# Altium PCB PCBV2.PcbDoc (part 2 of 2)
Units mm, origin at the board's own origin, x right, y up, seen from the top; angles counter-clockwise.
Board outline 46.9 x 40.12 mm, 4 copper layers (Top Layer, GND, GND_2, Bottom Layer), stack 1.556 mm thick; 71 components, 71 nets, 293 pads, 434 vias.
Unrouted connection lines stored in the file: 14.
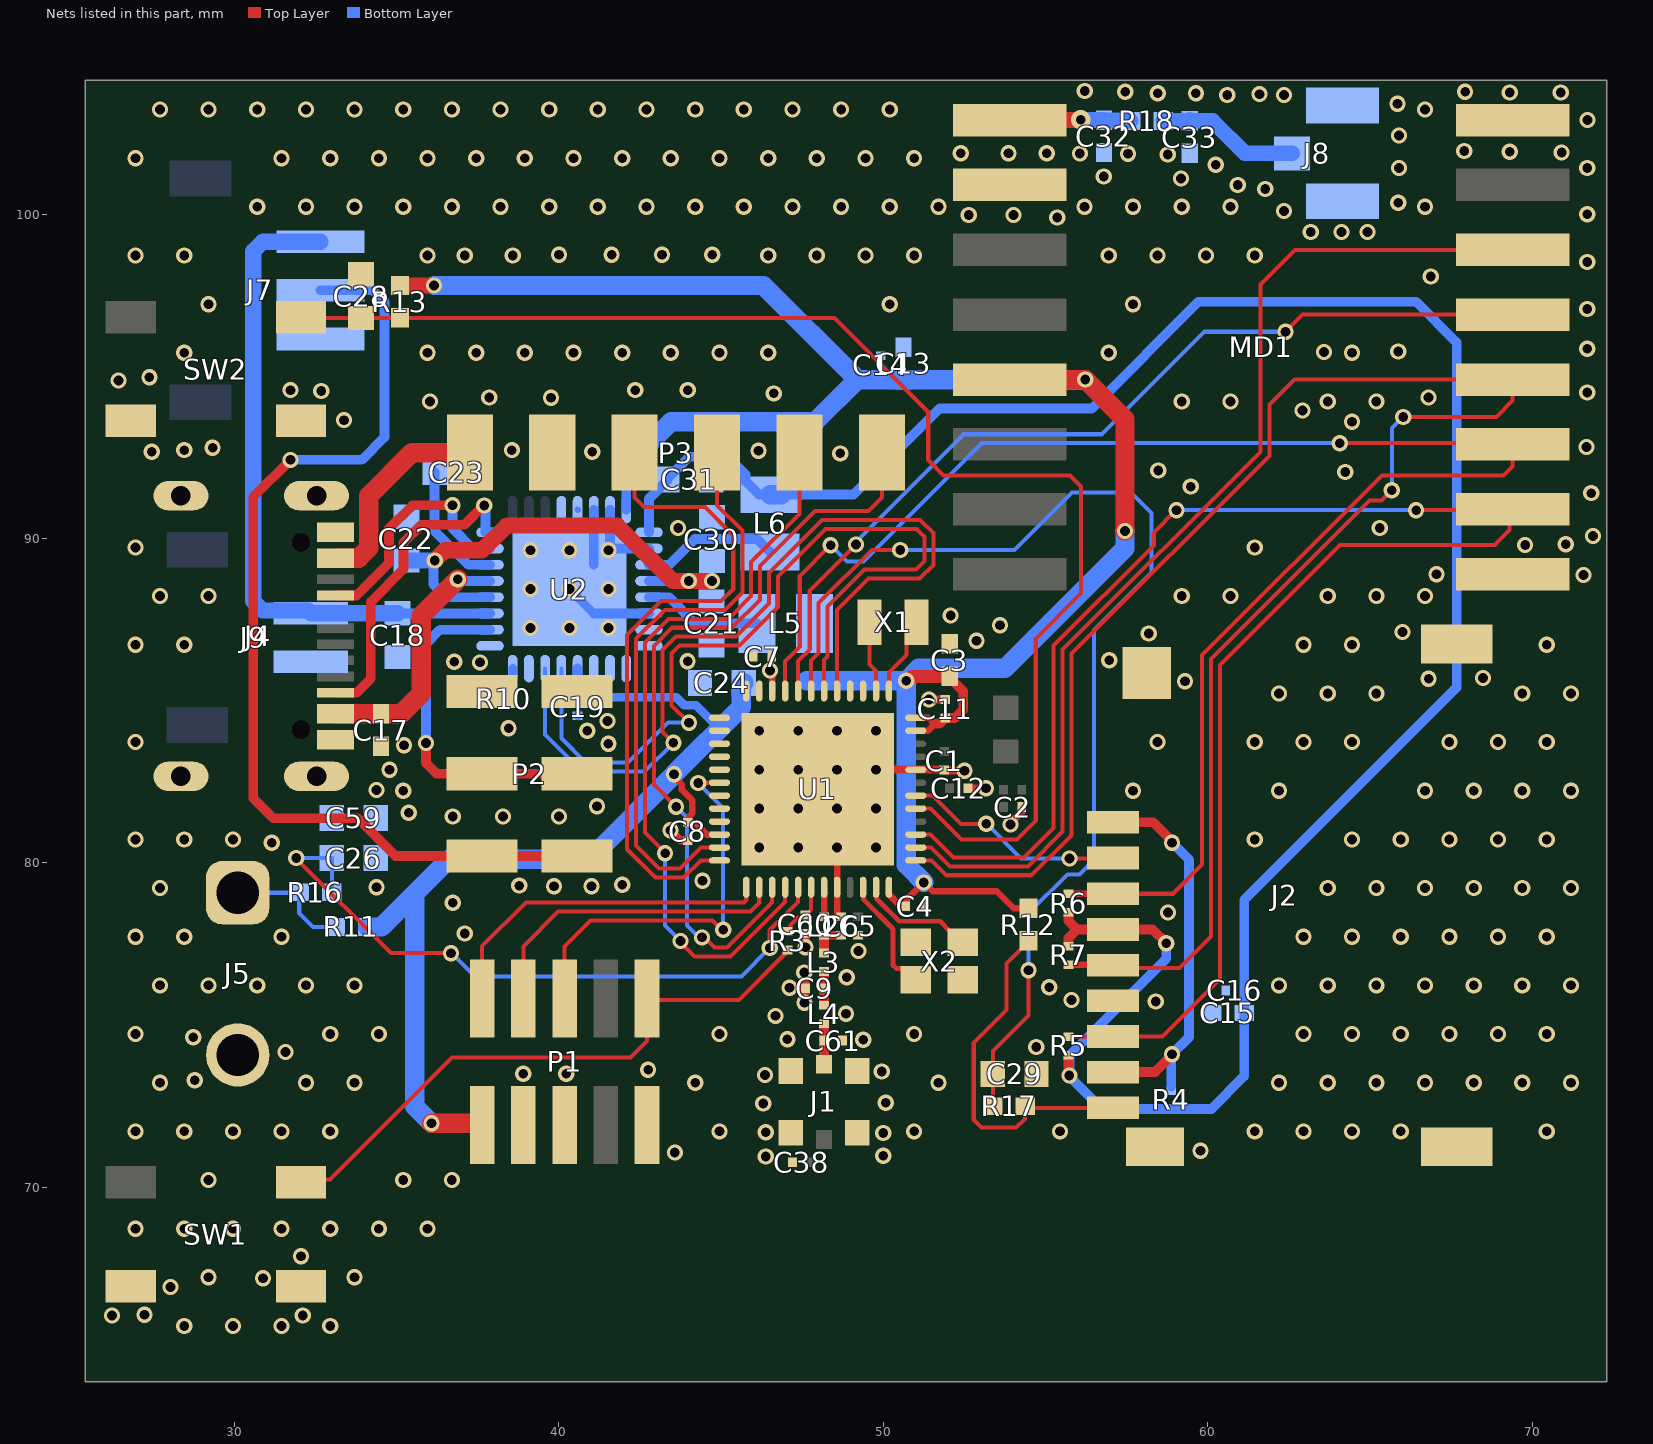
[diagram p4: the nets of this part, all layers, seen from the top]

## Via types
v1: diameter 0.5, hole 0.3, Top Layer to Bottom Layer, tented both sides, 433 vias
v2: diameter 0.6, hole 0.3, Top Layer to Bottom Layer, tented both sides, 1 vias

## Nets (pads, with @x,y where several pads share a name; then routed paths per layer and width w, separated by ;. In a path a pad name is that pad's centre, name@x,y a point inside that pad or via, vN(x,y) a via of type N, cw(c..) or ccw(c..) an arc to the next point about the centre after c; other vN are vias at no path point) (continued)
GND: C1.1 C2.1 C3.1 C4.2 C5.1 C6.1 C7.2 C8.2 C9.1 C11.2 C12.1 C13.1 C14.2 C15.1 C16.2 C17.1 C18.1 C19.2 C21.1 C22.1 C23.1 C24.1 C26.1 C28.1 C29.1 C30.1 C31.1 C32.1 C33.1 C38.1 C59.2 C60.1 C61.1 J1.2 J2.6 J2.G1 J2.G2 J2.G3 J2.G4 J4.A1 J4.A12 J5.2 J7.1 J8.1 J8.2 J9.1 MD1.1 MD1.8 MD1.10 P1.3 P1.5 P1.9 P2.3 P3.2 R10.2 SW1.1 SW1.2 SW2.1 SW2.2 U1.32 U1.44 U1.49 U2.2 U2.6 U2.17 U2.28 U2.29 U2.30 U2.31 U2.33 X2.2 X2.4 | length 18.2
  Top Layer w0.2: v1(48.575,80.475) U1.32@48.575,79.25 48.575,78.455 48.692,78.338 C6.1@48.707,78.338
  Top Layer w0.25: v1(43.438,81.008) 43.75,80.695 43.961,80.695 C8.2@43.97,80.687 ; v1(47.108,76.15) 47.119,76.139 47.597,76.139 C9.1@47.602,76.134 ; v1(47.564,76.619) 47.602,76.581 C9.1@47.602,76.134 ; v1(47.571,75.692) 47.599,75.721 47.599,76.131 C9.1@47.602,76.134 ; v1(47.599,77.397) 47.597,77.399 47.597,77.813 C60.1@47.6,77.816 ; U1.49@47.975,82.275 v1(48.575,82.875) v1(49.775,82.875) U1.44@51,82.875 C1.1@51.865,82.875 ; v1(51.407,85.036) 51.409,85.038 51.904,85.038 C11.2@51.906,85.04 ; C1.1@51.875,82.865 51.885,82.855 52.483,82.855 v1(52.5,82.838) v1@52.548,82.791 ; C12.1@52.61,82.3 v1(53.166,82.3) ; v1(53.923,81.183) 53.923,81.24 54.261,81.579 54.261,81.714 C2.1@54.271,81.724
  Bottom Layer w0.2: U2.29@40.576,90.891 U2.29@40.579,90.894
  Bottom Layer w0.27: v1(40.326,88.441) U2.33@41.076,87.691 ; C19.2@40.575,84.535 C19.2@40.59,84.535 ; U2.30@41.076,90.891 U2.30@41.082,90.897
  Bottom Layer w0.3: U2.33@41.076,87.691 U2.6@42.776,87.691 ; U2.33@41.076,89.191 U2.30@41.076,90.891 ; U2.31@41.576,90.891 41.576,89.691 U2.2@42.776,89.691
  other v1: 28.45,65.725 29.95,65.725 31.45,65.725 32.95,65.725 26.225,66.05 32.1,66.05 27.225,66.075 28.025,66.925 30.875,67.2 29.2,67.225 33.7,67.225 32.05,67.875 26.95,68.725 28.45,68.725 29.95,68.725 31.45,68.725 32.95,68.725 34.45,68.725 35.95,68.725 29.2,70.225 35.2,70.225 36.7,70.225 46.375,70.95 50,70.975 43.575,71.075 59.775,71.125 50,71.675 46.375,71.7 26.95,71.725 28.45,71.725 29.95,71.725 31.45,71.725 32.95,71.725 44.95,71.725 50.95,71.725 55.45,71.725 61.45,71.725 62.95,71.725 64.45,71.725 65.95,71.725 70.45,71.725 46.299,72.582 50.074,72.607 27.7,73.225 32.2,73.225 33.7,73.225 44.2,73.225 51.7,73.225 62.2,73.225 63.7,73.225 65.2,73.225 66.7,73.225 68.2,73.225 69.7,73.225 71.2,73.225 28.775,73.3 46.353,73.464 38.9,73.5 40.225,73.5 49.953,73.572 42.75,73.625 31.575,74.175 54.717,74.328 49.381,74.552 47.043,74.563 28.725,74.625 26.95,74.725 32.95,74.725 34.45,74.725 44.95,74.725 50.95,74.725 62.95,74.725 64.45,74.725 65.95,74.725 67.45,74.725 68.95,74.725 70.45,74.725 46.676,75.285 48.85,75.35 58.4,75.725 55.8,75.775 55.114,76.165 27.7,76.225 29.2,76.225 30.7,76.225 32.2,76.225 33.7,76.225 62.2,76.225 63.7,76.225 65.2,76.225 66.7,76.225 68.2,76.225 69.7,76.225 71.2,76.225 48.875,76.475 49.233,77.288 26.95,77.725 28.45,77.725 31.45,77.725 62.95,77.725 64.45,77.725 65.95,77.725 67.45,77.725 68.95,77.725 70.45,77.725 37.1,77.825 58.775,78.475 36.725,78.775 27.7,79.225 63.7,79.225 65.2,79.225 66.7,79.225 68.2,79.225 69.7,79.225 71.2,79.225 34.375,79.25 39.852,79.279 41.002,79.279 38.775,79.3 41.95,79.325 44.425,79.45 46.175,80.475 47.375,80.475 49.775,80.475 31.15,80.625 26.95,80.725 28.45,80.725 29.95,80.725 61.45,80.725 64.45,80.725 65.95,80.725 67.45,80.725 68.95,80.725 70.45,80.725 36.727,81.429 38.277,81.429 40.002,81.429 35.369,81.544 46.175,81.675 47.375,81.675 48.575,81.675 49.775,81.675 41.175,81.75 35.2,82.225 57.7,82.225 62.2,82.225 66.7,82.225 68.2,82.225 69.7,82.225 71.2,82.225 34.375,82.25 34.775,82.875 46.175,82.875 47.375,82.875 35.225,83.625 41.525,83.675 26.95,83.725 58.45,83.725 61.45,83.725 62.95,83.725 64.45,83.725 67.45,83.725 68.95,83.725 70.45,83.725 40.875,84.075 46.175,84.075 47.375,84.075 48.575,84.075 49.775,84.075 38.45,84.15 41.5,84.375 62.2,85.225 63.7,85.225 65.2,85.225 69.7,85.225 71.2,85.225 59.3,85.6 66.811,85.674 68.486,85.699 37.568,86.183 36.775,86.2 43.968,86.218 56.962,86.25 26.95,86.725 28.45,86.725 62.95,86.725 64.45,86.725 70.45,86.725 52.875,86.85 58.186,87.074 66.006,87.116 39.126,87.241 40.326,87.241 41.526,87.241 53.6,87.325 52.075,87.625 27.7,88.225 29.2,88.225 59.2,88.225 60.7,88.225 63.7,88.225 65.2,88.225 66.7,88.225 39.126,88.441 41.526,88.441 71.586,88.874 67.05,88.9 39.126,89.641 40.326,89.641 41.526,89.641 26.95,89.725 61.45,89.725 69.786,89.799 71.036,89.824 71.875,90.075 43.675,90.325 65.306,90.325 71.825,91.4 59.475,91.6 64.239,92.053 58.475,92.1 48.675,92.625 27.45,92.675 41.025,92.675 46.153,92.707 28.45,92.725 38.55,92.725 29.325,92.8 71.675,92.825 64.45,93.6 33.375,93.65 62.919,93.949 36.025,94.225 59.2,94.225 60.7,94.225 63.7,94.225 65.2,94.225 39.755,94.338 66.808,94.347 37.85,94.35 46.625,94.475 71.7,94.5 32.675,94.55 31.725,94.575 42.35,94.575 43.975,94.575 26.425,94.875 27.375,94.975 28.45,95.725 35.95,95.725 37.45,95.725 38.95,95.725 40.45,95.725 41.95,95.725 43.45,95.725 44.95,95.725 46.45,95.725 56.95,95.725 64.45,95.725 63.586,95.753 65.877,95.769 71.7,95.85 71.7,97.075 29.2,97.225 50.2,97.225 57.7,97.225 66.875,98.075 71.7,98.525 26.95,98.725 28.45,98.725 35.95,98.725 37.1,98.725 38.575,98.725 46.45,98.725 47.95,98.725 49.45,98.725 50.95,98.725 56.95,98.725 58.45,98.725 59.95,98.725 61.45,98.725 40,98.75 41.625,98.75 43.175,98.75 44.725,98.75 63.175,99.45 64.125,99.45 64.925,99.45 55.361,99.899 52.636,99.974 54.011,99.974 71.7,100 62.35,100.1 30.7,100.225 32.2,100.225 33.7,100.225 35.2,100.225 36.7,100.225 38.2,100.225 39.7,100.225 41.2,100.225 42.7,100.225 44.2,100.225 45.7,100.225 47.2,100.225 48.7,100.225 50.2,100.225 51.7,100.225 56.2,100.225 57.7,100.225 59.2,100.225 60.7,100.225 66.7,100.225 65.875,100.35 61.775,100.775 60.925,100.9 59.175,101.1 56.795,101.164 65.9,101.425 71.7,101.425 60.25,101.525 26.95,101.725 31.45,101.725 32.95,101.725 34.45,101.725 35.95,101.725 37.45,101.725 38.95,101.725 40.45,101.725 41.95,101.725 43.45,101.725 44.95,101.725 46.45,101.725 47.95,101.725 49.45,101.725 50.95,101.725 58.767,101.837 57.545,101.864 52.386,101.874 53.861,101.874 55.036,101.874 56.059,101.873 70.911,101.899 69.311,101.924 67.911,101.949 65.9,102.425 71.711,102.899 27.7,103.225 29.2,103.225 30.7,103.225 32.2,103.225 33.7,103.225 35.2,103.225 36.7,103.225 38.2,103.225 39.7,103.225 41.2,103.225 42.7,103.225 44.2,103.225 45.7,103.225 47.2,103.225 48.7,103.225 50.2,103.225 66.7,103.225 65.85,103.4 60.6,103.675 62.35,103.675 61.6,103.7 58.461,103.724 59.636,103.724 69.311,103.749 70.886,103.749 57.461,103.774 67.936,103.774 56.211,103.799
GPIO0: U2.7
GPIO1: U2.8
GPIO2: U2.9
GPIO3: U2.10
GPIO4: U2.11
NetC6_2: C6.2 L2.2 L3.1 | length 1
  Top Layer w0.27: L2.2@48.171,77.768 C6.2@48.707,77.768
  Top Layer w0.3: L3.1@48.171,77.3 L2.2@48.171,77.749
NetC9_2: C9.2 L3.2 L4.1 | length 0.9
  Top Layer w0.3: L4.1@48.172,75.684 C9.2@48.172,76.134 L3.2@48.172,76.634
NetC32_2: C32.2 MD1.9 R18.2 | length 3.7
  Top Layer w0.481: MD1.9@53.9,102.9 53.903,102.903 56.081,102.903 v2(56.085,102.906)
  Bottom Layer w0.481: v2(56.085,102.906) 56.088,102.903 56.797,102.903 C32.2@56.8,102.9 56.8,102.897 56.809,102.888 57.612,102.888 R18.2@57.625,102.875
NetC33_2: C33.2 J8.3 R18.1 | length 4.6
  Bottom Layer w0.481: R18.1@58.625,102.875 59.455,102.875 C33.2@59.455,102.82 ; C33.2@59.45,102.826 59.45,102.915 C33.2@59.45,102.875 60.15,102.875 61.15,101.875 J8.3@62.6,101.875
NetC59_1: C59.1 J4.SHLD
NetC60_2: C60.2 R3.1 U1.30 | length 1.8
  Top Layer w0.125: R3.1@47.049,77.889 47.064,77.889 47.136,77.961 47.136,78.09 47.366,78.32 47.523,78.32 C60.2@47.595,78.391 ; C60.2@47.601,78.383 47.775,78.556 U1.30@47.775,79.25
NetJ2_1: J2.1 J2.8 R4.2 | length 12.2
  Top Layer w0.3: J2.8@57.075,73.55 57.079,73.554 58.379,73.554 58.9,74.075 v1(58.9,74.101) ; J2.1@57.075,81.25 58.325,81.25 58.9,80.675 v1(58.9,80.625)
  Bottom Layer w0.3: R4.2@58.875,73.1 58.875,74.076 59.425,74.626 59.425,80.1 v1(58.9,80.625)
NetJ2_CD: J2.CD R12.1 R17.2 | length 11.2
  Top Layer w0.125: R17.2@54.3,72.45 54.375,72.45 J2.CD@57.075,72.45 ; R17.2@54.375,72.5 54.365,72.49 54.365,72.111 54.094,71.84 53.032,71.84 52.787,72.085 52.787,74.45 53.8,75.462 53.8,76.9 54.475,77.575 R12.1@54.475,77.6
NetJ4_A5: J4.A5 U2.23 | length 7.5
  Top Layer w0.3: J4.A5@33.119,88.245 33.763,88.245 34.763,89.244 34.763,90.307 35.481,91.025 v1(36.718,91.025)
  Bottom Layer w0.3: v1(36.718,91.025) 36.718,90.317 37.343,89.691 U2.23@37.876,89.691
NetJ4_B5: J4.B5 U2.24 | length 9.8
  Top Layer w0.3: J4.B5@33.119,85.245 33.763,85.245 34.2,85.682 34.2,88.045 35.213,89.058 35.213,89.871 35.767,90.425 37.088,90.425 37.68,91.017 v1(37.698,91.017)
  Bottom Layer w0.3: v1(37.698,91.017) 37.736,90.979 37.736,90.191 U2.24@37.876,90.191
NetJ5_1: J5.1 R11.1 R16.2 | length 3.8
  Bottom Layer w0.125: J5.1@30.099,79.081 R16.2@31.982,79.081 ; R16.2@32.02,79.094 R16.2@31.995,79.094 31.995,78.455 32.425,78.025 R11.1@33.1,78.025
NetL2_1: L2.1 U1.31 | length 0.9
  Top Layer w0.2: L2.1@48.171,78.338 48.175,78.342 U1.31@48.175,79.25
NetP2_2: P2.2 U2.18 | length 10.6
  Top Layer w0.3: v1(35.9,83.7) 35.9,83.075 36.225,82.75 P2.2@37.625,82.75 P2.2@40.555,82.75
  Bottom Layer w0.3: v1(35.9,83.7) 35.9,86.75 36.341,87.191 U2.18@37.876,87.191
nRF54_RESET: P1.10 R3.2 SW1.3 | length 18.8
  Top Layer w0.125: SW1.3@32.05,70.15 32.139,70.239 32.939,70.239 36.7,74 42.2,74 42.711,74.511 P1.10@42.711,75.78 ; P1.10@42.715,75.825 42.76,75.78 45.557,75.78 46.961,77.185 46.961,77.246 47.034,77.319 R3.2@47.049,77.319
NTC_IN: J7.2 P2.1 | length 31
  Top Layer w0.3: v1(31.725,92.425) 30.575,91.275 30.575,82 31.2,81.375 33.8,81.375 34.965,80.21 P2.1@37.625,80.21 ; P2.1@37.715,80.21 P2.1@40.555,80.21
  Bottom Layer w0.3: v1(31.725,92.425) 33.925,92.425 34.625,93.125 34.625,97.3 34.275,97.65 J7.2@32.65,97.65
P0.00: P3.4 U1.23 | length 18
  Top Layer w0.125: P3.4@44.875,92.65 44.875,91.025 45.653,90.247 45.653,88.339 45.114,87.8 43.264,87.8 42.375,86.911 42.375,80.535 43.086,79.824 43.733,79.824 44.384,80.475 U1.23@44.95,80.475
P0.01: P3.3 U1.24 | length 20.5
  Top Layer w0.125: P3.3@42.335,92.65 42.335,91.265 42.625,90.975 44.5,90.975 45.374,90.101 45.374,88.449 45,88.075 43.15,88.075 42.1,87.025 42.1,80.421 42.972,79.549 43.847,79.549 44.373,80.075 U1.24@44.95,80.075
P0.02: P3.6 U1.27 | length 23.9
  Top Layer w0.125: v1(43.613,81.732) 42.925,82.42 42.925,86.683 43.492,87.25 45.342,87.25 46.203,88.111 46.203,89.156 47.898,90.851 49.537,90.851 49.955,91.269 P3.6@49.955,92.65 ; v1(44.413,77.705) 44.485,77.705 44.802,77.387 45.183,77.387 46.575,78.78 U1.27@46.575,79.25
  Bottom Layer w0.125: v1(43.613,81.732) 43.95,81.395 43.95,78.066 44.311,77.705 v1(44.413,77.705)
P0.03: P3.5 U1.28 | length 23.2
  Top Layer w0.125: v1(43.274,80.3) 43.274,80.321 42.65,80.945 42.65,86.797 43.378,87.525 45.228,87.525 45.928,88.225 45.928,89.27 47.415,90.757 P3.5@47.415,92.65 ; v1(43.748,77.592) 43.748,77.545 44.183,77.111 45.295,77.111 46.975,78.791 U1.28@46.975,79.25
  Bottom Layer w0.125: v1(43.274,80.3) 43.274,78.066 v1(43.748,77.592)
P0.04: C26.2 R16.1 U1.29 | length 20.9
  Top Layer w0.125: v1(31.9,80.15) 31.9,80.139 34.822,77.216 v1(36.672,77.216) ; v1(46.499,77.376) 46.499,77.925 47.018,78.444 47.375,78.801 U1.29@47.375,79.25
  Bottom Layer w0.125: v1(31.9,80.15) C26.2@33,80.15 R16.1@33,79.099 ; v1(36.672,77.216) 36.692,77.216 37.409,76.5 45.623,76.5 v1(46.499,77.376)
P1.00/XL1: U1.1 X1.2 | length 2.5
  Top Layer w0.125: U1.1@50.175,85.3 50.175,85.875 50.713,86.412 50.713,87.113 X1.2@51.025,87.425
P1.01/XL2: U1.2 X1.1 | length 2.2
  Top Layer w0.125: X1.1@49.575,87.425 49.575,86.117 49.775,85.917 U1.2@49.775,85.3
P1.02/NFC1: U1.3
P1.03/NFC2: U1.4
P1.04: U1.5 U2.14 | length 27.6
  Top Layer w0.125: v1(43.528,83.704) 43.2,84.032 43.2,86.569 43.606,86.975 45.456,86.975 46.478,87.997 46.478,88.94 48.114,90.576 51.137,90.576 51.544,90.168 51.544,89.189 51.121,88.766 49.54,88.766 48.575,87.801 U1.5@48.575,85.3
  Bottom Layer w0.125: U2.14@39.576,85.991 39.576,83.955 40.713,82.817 42.642,82.817 v1(43.528,83.704)
P1.05: U1.6 U2.13 | length 26.3
  Top Layer w0.125: v1(44.007,84.323) 43.475,84.855 43.475,86.455 43.72,86.7 45.57,86.7 46.753,87.884 46.753,88.826 48.221,90.294 51.03,90.294 51.269,90.054 51.269,89.303 51.007,89.041 49.427,89.041 48.283,87.898 48.283,86.358 48.175,86.25 U1.6@48.175,85.3
  Bottom Layer w0.125: U2.13@40.076,85.991 40.076,83.843 40.827,83.092 42.132,83.092 43.37,84.33 44,84.33 v1(44.007,84.323)
P1.06: C29.2 R17.1 U1.7 | length 35.3
  Top Layer w0.125: U1.7@47.775,85.3 47.775,86.239 48.008,86.472 48.008,88.012 49.647,89.65 v1(50.525,89.65) ; R17.1@53.375,72.5 C29.2@53.375,73.5 53.375,74.2 54.475,75.3 v1(54.475,76.695)
  Bottom Layer w0.125: v1(50.525,89.65) 54.05,89.65 55.822,91.422 57.636,91.422 57.855,91.204 58.273,90.786 58.273,88.948 56.5,87.175 56.5,80.1 56.05,79.65 55.673,79.65 54.475,78.452 v1(54.475,76.695)
P1.07: MD1.5 U1.8 | length 28.5
  Top Layer w0.125: U1.8@47.375,85.3 47.375,86.228 47.733,86.586 47.733,88.394 v1(49.156,89.817) ; v1(62.4,96.375) 62.925,96.9 MD1.5@69.4,96.9
  Bottom Layer w0.125: v1(49.156,89.817) 49.156,89.889 52.483,93.215 56.74,93.215 59.9,96.375 v1(62.4,96.375)
P1.08: J2.3 MD1.3 R6.2 U1.9 | length 51.4
  Top Layer w0.125: U1.9@46.975,85.3 46.975,86.217 47.425,86.667 47.425,88.85 48.37,89.795 v1(48.376,89.795) ; J2.3@57.072,79.047 J2.3@57.075,79.05 58.925,79.05 59.825,79.95 59.825,86.403 65.372,91.95 69.125,91.95 69.4,92.225 MD1.3@69.4,92.9 69.36,92.94 v1(64.074,92.94)
  Top Layer w0.2: R6.2@55.711,79.047 J2.3@57.072,79.047
  Bottom Layer w0.125: v1(48.376,89.795) 48.876,89.295 49.395,89.295 53.04,92.94 v1(64.074,92.94)
P1.09: J2.5 MD1.4 R7.2 U1.37 | length 56.9
  Top Layer w0.125: U1.37@51,80.075 51.483,80.075 51.937,79.621 54.57,79.621 55.8,80.851 55.8,86.45 61.9,92.55 61.9,94.125 62.675,94.9 68.15,94.9 MD1.4@69.4,94.9 69.4,94.25 68.897,93.747 66.028,93.747 v1(66.025,93.75) ; J2.5@57.075,76.85 57.16,76.765 59.126,76.765 60.1,77.739 60.1,86.289 64.986,91.175 65.363,91.175 v1(65.675,91.487)
  Top Layer w0.2: R7.2@55.712,76.863 J2.5@57.075,76.863
  Bottom Layer w0.125: v1(65.675,91.487) 65.675,93.4 v1(66.025,93.75)
P1.10: MD1.6 U1.38 | length 32.8
  Top Layer w0.125: U1.38@51,80.475 51.472,80.475 52.051,79.896 54.456,79.896 55.525,80.965 55.525,86.575 61.625,92.675 61.625,97.836 62.689,98.9 MD1.6@69.4,98.9
P1.11: J2.7 MD1.2 R5.2 U1.39 | length 53.1
  Top Layer w0.125: U1.39@51,80.875 51.461,80.875 52.165,80.171 54.342,80.171 55.25,81.079 55.25,86.697 58.337,89.785 58.337,90.187 59.024,90.874 v1(59.036,90.874) ; R5.2@55.712,74.644 57.069,74.644 J2.7@57.075,74.65 58.6,74.65 60.375,76.425 60.375,86.1 64.075,89.8 68.852,89.8 68.925,89.873 68.925,89.875 69.306,90.256 69.306,90.656 MD1.2@69.525,90.875 ; v1(66.425,90.875) 69.375,90.875 MD1.2@69.4,90.9
  Bottom Layer w0.125: v1(59.036,90.874) v1@66.425,90.875
P1.13: C28.2 R13.1 SW2.3 U1.41 | length 42.3
  Top Layer w0.125: SW2.3@32.05,96.825 32.075,96.8 C28.2@33.9,96.8 R13.1@35.1,96.8 48.493,96.8 51.385,93.908 51.385,92.415 51.85,91.95 55.75,91.95 56.1,91.6 56.1,88.325 54.7,86.925 54.7,81.307 54.114,80.721 52.404,80.721 51.45,81.675 U1.41@51,81.675
P1.14: J2.2 U1.42 | length 6.9
  Top Layer w0.125: U1.42@51,82.075 51.515,82.075 52.39,81.2 53.165,81.2 v1(53.175,81.21) ; v1(55.74,80.137) 57.062,80.137 J2.2@57.075,80.15
  Bottom Layer w0.125: v1(53.175,81.21) 54.248,80.137 v1(55.74,80.137)
P2.00: U1.11
P2.01: U1.12
P2.02: U1.13
P2.03: U1.14
P2.04: U1.15
P2.05: U1.16
P2.06: U1.17
P2.07: P1.6 U1.18 | length 12.4
  Top Layer w0.125: P1.6@40.175,75.825 40.175,77.425 40.979,78.229 44.735,78.229 45.026,77.938 v1(45.063,77.938) ; v1(44.293,82.467) 44.297,82.471 44.946,82.471 U1.18@44.95,82.475
  Bottom Layer w0.125: v1(44.293,82.467) 45.063,81.696 v1(45.063,77.938)
P2.08: U1.19
P2.09: U1.20
P2.10: U1.21
RF: C61.2 J1.1 L4.2 | length 1.2
  Top Layer w0.3: J1.1@48.169,73.792 48.172,73.795 C61.2@48.172,74.525 ; C61.2@48.172,74.527 L4.2@48.172,75
SHPHLD: U2.15
SW1: L6.2 U2.3 | length 4.2
  Bottom Layer w0.3: U2.3@42.776,89.191 43.399,89.191 44.19,89.982 46.111,89.982 L6.2@46.509,89.584
SW2: L5.2 U2.5 | length 3.7
  Bottom Layer w0.3: U2.5@42.776,88.191 43.391,88.191 44.197,87.385 L5.2@46.108,87.385
SWDCLK: P1.4 U1.26 | length 9.9
  Top Layer w0.125: P1.4@38.905,75.825 38.905,77.43 39.979,78.504 45.91,78.504 46.175,78.769 U1.26@46.175,79.25
SWDIO: P1.2 U1.25 | length 10.7
  Top Layer w0.125: P1.2@37.635,75.825 37.635,77.435 38.979,78.779 45.702,78.779 45.775,78.852 U1.25@45.775,79.25
VBAT: C18.2 J7.3 J9.2 U2.19 | length 20.4
  Bottom Layer w0.3: C18.2@35.025,87.7 35.034,87.691 U2.19@37.876,87.691
  Bottom Layer w0.5: J7.3@32.65,99.15 30.868,99.15 30.575,98.857 30.575,88.071 30.868,87.779 32.271,87.779 J9.2@32.35,87.7 C18.2@35.025,87.7
VBUS: C17.2 J4.A4 J4.A9 P3.1 U2.21 | length 14.3
  Top Layer w0.3: J4.A9@33.119,84.595 J4.A9@33.13,84.585
  Top Layer w0.6: J4.A4@33.119,89.395 33.825,89.395 34.139,89.709 34.139,91.314 35.475,92.65 P3.1@37.255,92.65 ; J4.A9@33.13,84.595 C17.2@34.516,84.596 ; C17.2@34.516,84.596 35.137,84.596 35.763,85.221 35.763,87.625 v1(36.879,88.741)
  Bottom Layer w0.3: v1(36.879,88.741) 36.933,88.741 36.983,88.691 U2.21@37.876,88.691
VBUSOUT: C23.2 U2.22 | length 4
  Bottom Layer w0.3: C23.2@36.168,92.05 36.168,90.23 37.207,89.191 U2.22@37.876,89.191
VDD:nRF: C3.2 C4.1 C7.1 C8.1 C11.1 C13.2 C14.1 C19.1 C24.2 L5.1 MD1.13 P1.1 R11.2 R12.2 R13.2 U1.10 U1.22 U1.36 U1.47 U1.48 U2.12 U2.32 | length 101.4
  Top Layer w0.2: v1(43.55,82.735) 43.55,82.654 43.793,82.412 43.793,82.259 44.113,81.939 44.113,81.525 44.021,81.433 44.021,81.29 43.998,81.267 C8.1@43.96,81.267 ; C8.1@44.006,81.22 44.212,81.22 44.557,80.875 U1.22@44.95,80.875 ; C7.1@46.562,86.362 46.535,86.335 46.535,85.959 v1(46.508,85.932) 46.508,85.851 46.575,85.785 U1.10@46.575,85.3 ; U1.36@50.175,79.25 50.175,79.025 50.5,78.7 50.66,78.7 C4.1@50.695,78.663 C4.1@50.695,78.663 ; C4.1@50.695,78.678 50.73,78.713 50.73,78.88 v1(51.25,79.4) 51.525,79.125 53.5,79.125 54.025,78.6 R12.2@54.475,78.6 ; U1.47@51,84.075 51.375,84.075 51.517,84.217 51.517,84.358 51.4,84.475 U1.48@51,84.475 ; R12.2@54.548,78.608 R12.2@54.556,78.6
  Top Layer w0.3: R13.2@35.1,97.8 R13.2@35.1,97.8 ; 51.591,84.288 51.594,84.29 51.727,84.29 C11.1@51.906,84.47 52.206,84.47 52.465,84.729 52.465,85.285 52.05,85.7 C3.2@52.05,85.75
  Top Layer w0.4: v1(50.708,85.617) 50.735,85.617 50.868,85.75 C3.2@52.05,85.75
  Top Layer w0.5: R13.2@35.1,97.8 v1(36.15,97.8)
  Top Layer w0.6: v1(36.075,71.975) 37.585,71.975 P1.1@37.635,71.925 ; MD1.13@53.9,94.9 v1(56.225,94.9) 57.451,93.674 v1(57.451,90.235)
  Bottom Layer w0.27: C19.1@40.575,85.105 43.617,85.105 43.862,84.86 44.227,84.86 44.743,84.343
  Bottom Layer w0.3: C19.1@40.576,85.2 U2.12@40.576,85.991 ; U2.32@42.076,90.891 42.076,91.901 42.1,91.925
  Bottom Layer w0.6: R11.2@34.1,78.025 34.526,78.025 36.614,80.113 40.937,80.113 43.55,82.726 v1(43.55,82.735) 45.625,84.81 45.625,85.475 C24.2@45.7,85.55 ; 35.55,78.964 35.55,72.5 v1(36.075,71.975) ; v1(36.15,97.8) 46.3,97.8 49.2,94.9 ; 42.1,91.925 42.1,92.242 43.458,93.6 47.9,93.6 49.2,94.9 ; 47.642,85.617 v1(50.708,85.617) ; 50.707,85.322 50.707,79.943 v1(51.25,79.4) ; 50.708,85.323 v1(50.708,85.617) ; v1(56.225,94.9) C13.2@50.625,94.9 49.925,94.9 49.2,94.9 ; v1(57.451,90.235) 57.451,89.701 53.75,86 51.091,86 v1(50.708,85.617)
VDD:SD: C15.2 C16.1 C31.2 J2.4 L6.1 R4.1 R5.1 R6.1 R7.1 U2.1 | length 71.6
  Top Layer w0.3: R6.1@55.711,78.4 55.711,78.214 55.975,77.95 ; R5.1@55.712,74.025 55.712,73.467 v1(55.736,73.444) ; R7.1@55.712,77.5 55.712,77.687 55.975,77.95 ; v1(58.725,77.525) 58.3,77.95 J2.4@57.075,77.95 55.975,77.95
  Bottom Layer w0.3: U2.1@42.776,90.191 42.776,91.226 43.35,91.8 C31.2@43.35,91.825 43.35,91.85 44.025,92.525 45.199,92.525 45.749,91.975 45.749,91.769 46.164,91.354 L6.1@46.509,91.354 ; L6.1@46.854,91.354 49.079,91.354 51.737,94.012 56.428,94.012 59.716,97.3 66.424,97.3 67.675,96.049 67.675,85.403 61.125,78.853 C16.1@61.125,76.068 C15.2@61.125,75.375 61.125,73.425 60.115,72.415 60,72.415 58.945,72.415 R4.1@58.875,72.415 56.744,72.415 55.736,73.423 v1(55.736,73.444) 55.743,73.45 55.743,74.068 58.725,77.05 v1(58.725,77.525)
  Bottom Layer w0.6: L6.1@46.509,91.354 L6.1@46.854,91.354
VSET2: R10.1 U2.16 | length 0.9
  Bottom Layer w0.27: R10.1@38.577,85.053 R10.1@38.577,85.16 ; R10.1@38.576,85.161 U2.16@38.576,85.991
VSYS: C21.2 C22.2 C30.2 U2.4 U2.20 | length 14.5
  Top Layer w0.5: v1(36.175,89.325) 36.489,89.639 37.628,89.639 38.389,90.4 41.8,90.4 43.507,88.693 v1(44,88.693) 44.002,88.691 v1(44.72,88.691)
  Bottom Layer w0.3: v1(36.175,89.325) 36.137,89.287 36.137,88.588 36.534,88.191 U2.20@37.876,88.191 ; U2.4@42.776,88.691 43.999,88.691 v1(44,88.693)
  Bottom Layer w0.5: C22.2@35.3,89.325 v1(36.175,89.325)
XC1: U1.34 X2.1 | length 3.7
  Top Layer w0.15: U1.34@49.375,79.25 49.385,79.24 49.385,78.88 50.3,77.964 50.3,76.85 50.4,76.75 50.65,76.75 X2.1@51,76.4
XC2: U1.35 X2.3 | length 3.6
  Top Layer w0.15: U1.35@49.775,79.25 49.785,79.24 49.785,78.904 50.489,78.2 51.75,78.2 52.05,77.9 52.4,77.55 X2.3@52.45,77.55
pads on no net: J4. J4.0 J4.A6 J4.A7 J4.A8 J4.B6 J4.B7 J4.B8 J7.SH1 J7.SH2 J9.P1 J9.P2 MD1.7 MD1.11 MD1.12 MD1.15 MD1.16 P1.7 P1.8 SW1.4 SW2.4 U2.25 U2.26 U2.27

## Polygon pours and split planes (outlines as drawn)
GND on Bottom Layer "Layer4-GND" (solid, pour order 4): 25.4,64.002 32.176,64.002 38.55,70.375 43.425,70.375 43.675,70.625 72.3,70.625 72.3,104.125 25.4,104.125
GND on GND_2 "Layer3-GND" (solid, pour order 3): 46.759,70.625 46.759,73.729 47.425,74.5 47.425,75.25 47.25,75.25 46.7,75.8 46.7,76.475 47.227,77.05 47.75,77.05 47.75,78.048 48.975,78.048 48.975,74.35 49.575,73.75 49.575,70.625 72.3,70.625 72.3,104.125 25.4,104.125 25.4,64.002 32.177,64.002 38.55,70.375 43.425,70.375 43.675,70.625
GND on Top Layer "Layer1-GND" (solid, pour order 1): 43.425,70.375 43.675,70.625 47.384,70.625 72.3,70.625 72.3,104.125 25.4,104.125 25.4,64.002 32.177,64.002 38.55,70.375
GND on GND "Layer2-GND" (solid, pour order 0): 46.758,70.625 46.758,73.728 47.425,74.5 47.425,75.25 47.25,75.25 46.7,75.8 46.7,76.475 47.227,77.05 47.75,77.05 47.75,78.048 48.975,78.048 48.975,74.374 49.575,73.75 49.575,70.625 72.3,70.625 72.3,104.125 25.4,104.125 25.4,64.002 32.177,64.002 38.55,70.375 43.425,70.375 43.675,70.625

## Other copper
Top Layer:
  rectangle net GND: 45.625,79.925 50.325,84.625
  region net ANT: 66.151,65.611 66.151,64.341 66.913,64.341 66.913,65.611
  region net GND: 47.85,76.9 47.848,76.898 47.848,75.4 47.325,75.4 46.85,75.875 46.85,76.4 47.325,76.9
  region net VBUS: 32.549,89.695 32.152,89.375 31.319,88.705 31.319,85.255 32.549,84.296 32.549,84.895 32.512,84.895 32.004,85.255 32.004,88.705 32.512,89.095 32.549,89.095
GND:
  pour cut-out: 56.353,103.297 59.81,103.297 62.6,103.297 63.025,103.9 65.525,103.9 65.525,99.825 63.025,99.825 61.929,101.179 61.106,101.179 59.975,102.484 56.353,102.484
  pour cut-out: 49.575,70.625 49.575,73.75 48.975,74.374 48.975,78.048 47.75,78.048 47.75,77.05 47.225,77.05 46.7,76.475 46.7,75.8 47.25,75.25 47.425,75.25 47.425,74.725 47.425,74.5 46.759,73.729 46.759,70.625
GND_2:
  pour cut-out: 56.353,103.297 59.81,103.297 62.6,103.297 63.025,103.9 65.525,103.9 65.525,99.825 63.025,99.825 61.929,101.179 61.106,101.179 59.975,102.484 56.353,102.484
  pour cut-out: 49.575,70.625 49.575,73.75 48.975,74.374 48.975,78.048 47.75,78.048 47.75,77.05 47.225,77.05 46.7,76.475 46.7,75.8 47.25,75.25 47.425,75.25 47.425,74.725 47.425,74.5 46.759,73.729 46.759,70.625
Bottom Layer:
  rectangle net GND: 38.572,86.696 42.072,90.196
  region net VDD:SD: 58.865,72.565 58.865,72.265 59.025,72.265 59.025,72.565
  rectangle net NetC59_1: 31.682,80.99 33.378,82.954
  pour cut-out: 38.475,90.3 42.175,90.3 42.175,86.6 38.475,86.6
  region net NetC33_2: 62.049,102.4 62.051,102.399 62.051,101.351 61.35,101.9
  region net GND: 40.426,84.67 40.426,83.924 41.04,83.31 41.409,83.31 41.875,83.31 41.875,84.5 41.706,84.669
  region net VDD:nRF: 45.325,85.95 45.328,85.947 46.119,85.947 46.361,86.189 47.045,86.189 47.045,85.155 45.327,85.155
  region net VDD:nRF: 41.8,92.025 42.4,92.025 42.4,91.655 42.193,91.449 41.959,91.449 41.8,91.65
  region net VDD:nRF: 47.309,88.293 47.309,86.458 46.638,85.787 46.638,85.15 47.75,85.15 48.459,85.858 48.459,88.293
  region net VSYS: 43.789,88.832 44.314,89.357 44.314,89.682 45.114,89.682 45.114,87.682 44.314,87.682 44.314,88.007 43.789,88.532
  pour cut-out: 56.353,103.297 59.784,103.297 59.784,102.49 56.353,102.486

## Silkscreen, mask and mechanical layers (free items; w line width, h text height)
Top Overlay:

## Text inside footprints (layer, text, board x,y; h text height)
J4: Mechanical 15 "Board Edge" at 26.319,89.015 h0.38 r270
J9: Mechanical 13 "PCB Edge" at 26.692,86.499 h0.41 r90
LOGO1: Top Overlay "LCLP" at 62.07,68.269 h2.03; Top Overlay "DATALOGGER" at 62.07,66.76 h2.03